# Altium PCB PCB.PcbDoc (part 3 of 5) (continued)
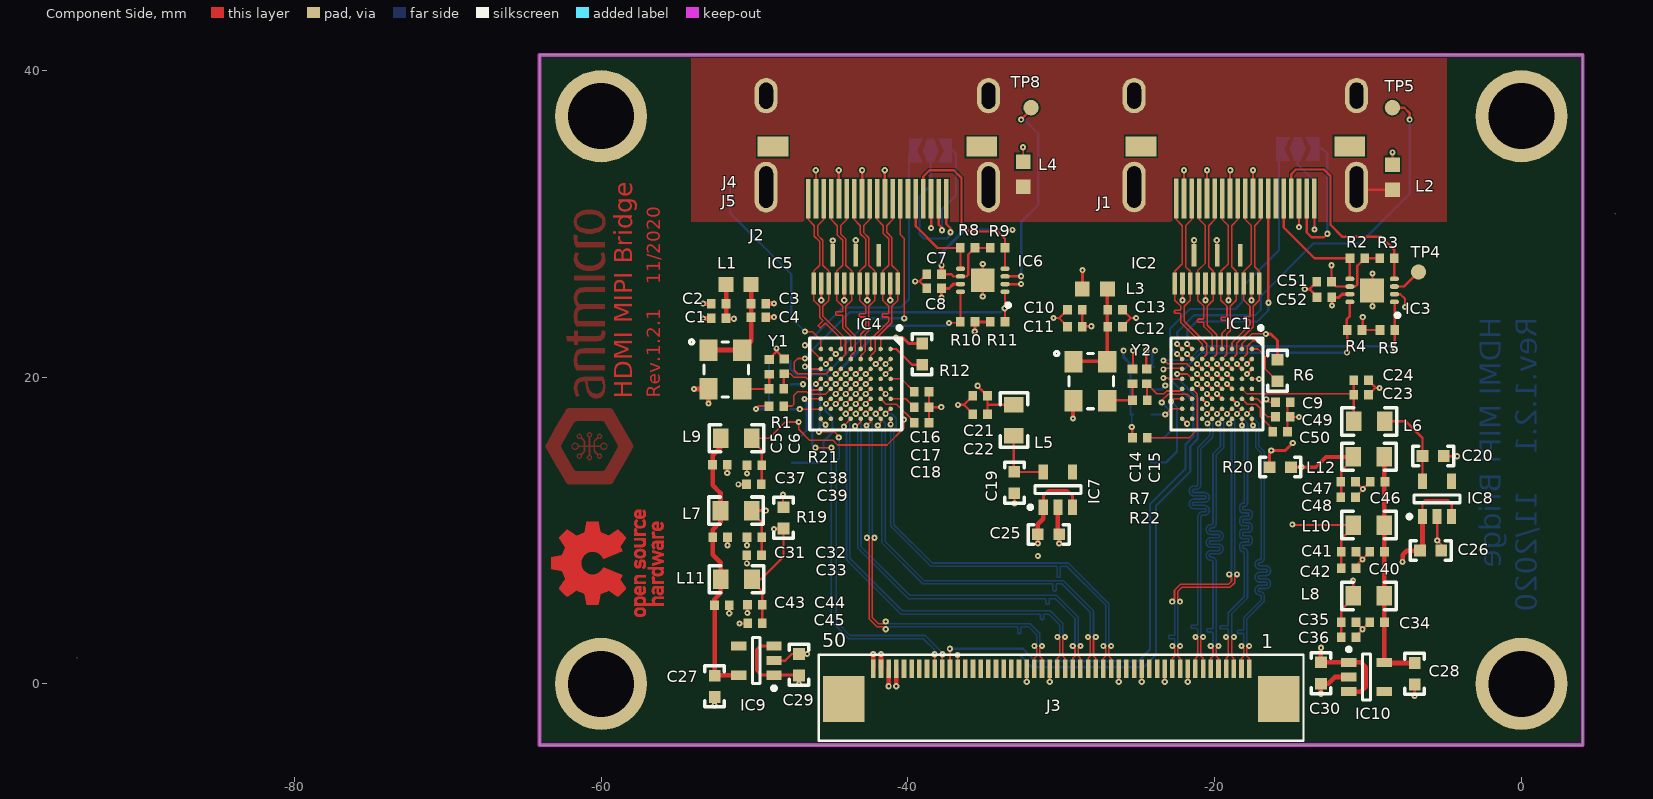
[diagram p0: Component Side view]
## Nets (pads, with @x,y where several pads share a name; then routed paths per layer and width w, separated by ;. In a path a pad name is that pad's centre, name@x,y a point inside that pad or via, vN(x,y) a via of type N, cw(c..) or ccw(c..) an arc to the next point about the centre after c; other vN are vias at no path point) (continued)
-59.585,7.477 ; -59.585,8.258 -59.585,9.69 ; -59.576,6.045 -59.576,7.477 ; -59.576,8.258 -59.576,9.69 ; -59.567,6.045 -59.567,7.477 ; -59.567,8.258 -59.567,9.69 ; -59.558,6.054 -59.558,7.468 ; -59.558,8.267 -59.558,9.681 ; -59.549,6.054 -59.549,7.468 ; -59.549,8.267 -59.549,9.681 ; -59.539,6.063 -59.539,7.459 ; -59.539,8.276 -59.539,9.672 ; -59.53,6.063 -59.53,7.459 ; -59.53,8.276 -59.53,9.672 ; -59.521,6.063 -59.521,7.459 ; -59.521,8.276 -59.521,9.672 ; -59.512,6.073 -59.512,7.45 ; -59.512,8.285 -59.512,9.663 ; -59.503,6.073 -59.503,7.45 ; -59.503,8.285 -59.503,9.663 ; -59.493,6.082 -59.493,7.441 ; -59.493,8.295 -59.493,9.653 ; -59.484,6.082 -59.484,7.441 ; -59.484,8.295 -59.484,9.653 ; -59.475,6.082 -59.475,7.441 ; -59.475,8.295 -59.475,9.653 ; -59.466,6.082 -59.466,7.431 ; -59.466,8.304 -59.466,9.653 ; -59.457,6.082 -59.457,7.431 ; -59.457,8.304 -59.457,9.653 ; -59.448,6.073 -59.448,7.422 ; -59.448,8.313 -59.448,9.663 ; -59.438,6.073 -59.438,7.422 ; -59.438,8.313 -59.438,9.663 ; -59.429,6.063 -59.429,7.413 ; -59.429,8.322 -59.429,9.672 ; -59.42,6.054 -59.42,7.413 ; -59.42,8.322 -59.42,9.681 ; -59.411,6.054 -59.411,7.413 ; -59.411,8.322 -59.411,9.681 ; -59.402,6.045 -59.402,7.404 ; -59.402,8.331 -59.402,9.69 ; -59.392,6.036 -59.392,7.404 ; -59.392,8.331 -59.392,9.699 ; -59.383,6.036 -59.383,7.395 ; -59.383,8.34 -59.383,9.699 ; -59.374,6.027 -59.374,7.395 ; -59.374,8.34 -59.374,9.709 ; -59.365,6.017 -59.365,7.395 ; -59.365,8.34 -59.365,9.718 ; -59.356,6.017 -59.356,7.386 ; -59.356,8.35 -59.356,9.718 ; -59.347,6.008 -59.347,7.386 ; -59.347,8.35 -59.347,9.727 ; -59.337,5.999 -59.337,7.376 ; -59.337,8.359 -59.337,9.736 ; -59.328,5.999 -59.328,7.376 ; -59.328,8.359 -59.328,9.736 ; -59.319,5.99 -59.319,7.367 ; -59.319,8.368 -59.319,9.745 ; -59.31,5.981 -59.31,7.367 ; -59.31,8.368 -59.31,9.754 ; -59.301,5.972 -59.301,7.367 ; -59.301,8.368 -59.301,9.764 ; -59.291,5.972 -59.291,7.358 ; -59.291,8.377 -59.291,9.764 ; -59.282,5.962 -59.282,7.358 ; -59.282,8.377 -59.282,9.773 ; -59.273,5.953 -59.273,7.349 ; -59.273,8.386 -59.273,9.782 ; -59.264,5.953 -59.264,7.349 ; -59.264,8.386 -59.264,9.782 ; -59.255,5.944 -59.255,7.349 ; -59.255,8.386 -59.255,9.791 ; -59.246,5.935 -59.246,7.34 ; -59.246,8.396 -59.246,9.8 ; -59.236,5.935 -59.236,7.34 ; -59.236,8.396 -59.236,9.8 ; -59.227,5.926 -59.227,7.33 ; -59.227,8.405 -59.227,9.81 ; -59.218,5.916 -59.218,7.33 ; -59.218,8.405 -59.218,9.819 ; -59.209,5.916 -59.209,7.33 ; -59.209,8.405 -59.209,9.819 ; -59.2,5.907 -59.2,7.321 ; -59.2,8.414 -59.2,9.828 ; -59.19,5.898 -59.19,7.321 ; -59.19,8.414 -59.19,9.837 ; -59.181,5.898 -59.181,7.312 ; -59.181,8.423 -59.181,9.837 ; -59.172,5.889 -59.172,7.312 ; -59.172,8.423 -59.172,9.846 ; -59.163,5.88 -59.163,7.303 ; -59.163,8.432 -59.163,9.855 ; -59.154,5.88 -59.154,7.303 ; -59.154,8.432 -59.154,9.855 ; -59.145,5.871 -59.145,7.303 ; -59.145,8.432 -59.145,9.865 ; -59.135,5.861 -59.135,7.294 ; -59.135,8.441 -59.135,9.874 ; -59.126,5.852 -59.126,7.294 ; -59.126,8.441 -59.126,9.883 ; -59.117,5.852 -59.117,7.285 ; -59.117,8.451 -59.117,9.883 ; -59.108,5.843 -59.108,7.285 ; -59.108,8.451 -59.108,9.892 ; -59.099,5.834 -59.099,7.285 ; -59.099,8.451 -59.099,9.901 ; -59.089,5.834 -59.089,7.275 ; -59.089,8.46 -59.089,9.901 ; -59.08,5.825 -59.08,7.275 ; -59.08,8.46 -59.08,9.911 ; -59.071,5.815 -59.071,7.266 ; -59.071,8.469 -59.071,9.92 ; -59.062,5.815 -59.062,7.266 ; -59.062,8.469 -59.062,9.92 ; -59.053,5.806 -59.053,7.257 ; -59.053,8.478 -59.053,9.929 ; -59.044,5.797 -59.044,7.257 ; -59.044,8.478 -59.044,9.938 ; -59.034,5.797 -59.034,7.257 ; -59.034,8.478 -59.034,9.938 ; -59.025,5.788 -59.025,7.248 ; -59.025,8.487 -59.025,9.947 ; -59.016,5.779 -59.016,7.248 ; -59.016,8.487 -59.016,9.956 ; -59.007,5.779 -59.007,7.239 ; -59.007,8.497 -59.007,9.956 ; -58.998,5.77 -58.998,7.239 ; -58.998,8.497 -58.998,9.966 ; -58.988,5.76 -58.988,7.239 ; -58.988,8.497 -58.988,9.975 ; -58.979,5.751 -58.979,7.229 ; -58.979,8.506 -58.979,9.984 ; -58.97,5.751 -58.97,7.229 ; -58.97,8.506 -58.97,9.984 ; -58.961,5.742 -58.961,7.22 ; -58.961,8.515 -58.961,9.993 ; -58.952,5.733 -58.952,7.22 ; -58.952,8.515 -58.952,10.002 ; -58.943,5.733 -58.943,7.22 ; -58.943,8.515 -58.943,10.002 ; -58.933,5.724 -58.933,7.211 ; -58.933,8.524 -58.933,10.012 ; -58.924,5.714 -58.924,7.211 ; -58.924,8.524 -58.924,10.021 ; -58.915,5.714 -58.915,7.202 ; -58.915,8.533 -58.915,10.021 ; -58.906,5.705 -58.906,7.202 ; -58.906,8.533 -58.906,10.03 ; -58.897,5.705 -58.897,7.193 ; -58.897,8.542 -58.897,10.03 ; -58.887,5.696 -58.887,7.193 ; -58.887,8.542 -58.887,10.039 ; -58.878,5.696 -58.878,7.193 ; -58.878,8.542 -58.878,10.039 ; -58.869,5.705 -58.869,7.184 ; -58.869,8.552 -58.869,10.03 ; -58.86,5.705 -58.86,7.184 ; -58.86,8.552 -58.86,10.03 ; -58.851,5.714 -58.851,7.174 ; -58.851,8.561 -58.851,10.021 ; -58.842,5.724 -58.842,7.174 ; -58.842,8.561 -58.842,10.012 ; -58.832,5.733 -58.832,7.174 ; -58.832,8.561 -58.832,10.002 ; -58.823,5.742 -58.823,7.165 ; -58.823,8.57 -58.823,9.993 ; -58.814,5.751 -58.814,7.165 ; -58.814,8.57 -58.814,9.984 ; -58.805,5.76 -58.805,7.156 ; -58.805,8.579 -58.805,9.975 ; -58.796,5.77 -58.796,7.156 ; -58.796,8.579 -58.796,9.966 ; -58.786,5.779 -58.786,7.147 ; -58.786,8.588 -58.786,9.956 ; -58.777,5.788 -58.777,7.147 ; -58.777,8.588 -58.777,9.947 ; -58.768,5.797 -58.768,7.147 ; -58.768,8.588 -58.768,9.938 ; -58.759,5.806 -58.759,7.138 ; -58.759,8.598 -58.759,9.929 ; -58.75,5.815 -58.75,7.138 ; -58.75,8.598 -58.75,9.92 ; -58.741,5.825 -58.741,6.78 ; -58.741,6.798 -58.741,7.128 ; -58.741,8.607 -58.741,8.937 ; -58.741,8.956 -58.741,9.911 ; -58.731,5.834 -58.731,6.761 ; -58.731,6.825 -58.731,7.128 ; -58.731,8.607 -58.731,8.91 ; -58.731,8.974 -58.731,9.901 ; -58.722,5.843 -58.722,6.743 ; -58.722,6.844 -58.722,7.128 ; -58.722,8.607 -58.722,8.891 ; -58.722,8.992 -58.722,9.892 ; -58.713,5.852 -58.713,6.734 ; -58.713,6.862 -58.713,7.119 ; -58.713,8.616 -58.713,8.873 ; -58.713,9.002 -58.713,9.883 ; -58.704,5.861 -58.704,6.715 ; -58.704,6.881 -58.704,7.119 ; -58.704,8.616 -58.704,8.855 ; -58.704,9.02 -58.704,9.874 ; -58.695,5.871 -58.695,6.706 ; -58.695,6.899 -58.695,7.11 ; -58.695,8.625 -58.695,8.836 ; -58.695,9.029 -58.695,9.865 ; -58.685,5.88 -58.685,6.688 ; -58.685,6.908 -58.685,7.11 ; -58.685,8.625 -58.685,8.827 ; -58.685,9.047 -58.685,9.855 ; -58.676,5.889 -58.676,6.679 ; -58.676,6.926 -58.676,7.11 ; -58.676,8.625 -58.676,8.809 ; -58.676,9.057 -58.676,9.846 ; -58.667,5.898 -58.667,6.669 ; -58.667,6.945 -58.667,7.101 ; -58.667,8.634 -58.667,8.79 ; -58.667,9.066 -58.667,9.837 ; -58.658,5.907 -58.658,6.651 ; -58.658,6.963 -58.658,7.101 ; -58.658,8.634 -58.658,8.772 ; -58.658,9.084 -58.658,9.828 ; -58.649,5.916 -58.649,6.642 ; -58.649,6.982 -58.649,7.092 ; -58.649,8.643 -58.649,8.754 ; -58.649,9.093 -58.649,9.819 ; -58.64,5.926 -58.64,6.623 ; -58.64,7 -58.64,7.092 ; -58.64,8.643 -58.64,8.735 ; -58.64,9.112 -58.64,9.81 ; -58.63,5.935 -58.63,6.614 ; -58.63,7.018 -58.63,7.083 ; -58.63,8.653 -58.63,8.717 ; -58.63,9.121 -58.63,9.8 ; -58.621,5.944 -58.621,6.596 ; -58.621,7.037 -58.621,7.083 ; -58.621,8.653 -58.621,8.699 ; -58.621,9.139 -58.621,9.791 ; -58.612,5.953 -58.612,6.587 ; -58.612,7.055 -58.612,7.073 ; -58.612,8.662 -58.612,8.68 ; -58.612,9.148 -58.612,9.782 ; -58.603,5.962 -58.603,6.568 ; -58.603,9.167 -58.603,9.773 ; -58.594,5.972 -58.594,6.559 ; -58.594,9.176 -58.594,9.764 ; -58.584,5.981 -58.584,6.541 ; -58.584,9.194 -58.584,9.754 ; -58.575,5.99 -58.575,6.532 ; -58.575,9.204 -58.575,9.745 ; -58.566,5.999 -58.566,6.522 ; -58.566,9.213 -58.566,9.736 ; -58.557,6.008 -58.557,6.504 ; -58.557,9.231 -58.557,9.727 ; -58.548,6.017 -58.548,6.495 ; -58.548,9.24 -58.548,9.718 ; -58.539,6.027 -58.539,6.477 ; -58.539,9.259 -58.539,9.709 ; -58.529,6.036 -58.529,6.467 ; -58.529,9.268 -58.529,9.699 ; -58.52,6.045 -58.52,6.449 ; -58.52,9.286 -58.52,9.69 ; -58.511,6.054 -58.511,6.44 ; -58.511,9.295 -58.511,9.681 ; -58.502,6.063 -58.502,6.421 ; -58.502,9.314 -58.502,9.672 ; -58.493,6.073 -58.493,6.412 ; -58.493,9.323 -58.493,9.663 ; -58.483,6.082 -58.483,6.394 ; -58.483,9.341 -58.483,9.653 ; -58.474,6.091 -58.474,6.385 ; -58.474,9.35 -58.474,9.644 ; -58.465,6.1 -58.465,6.376 ; -58.465,9.36 -58.465,9.635 ; -58.456,6.109 -58.456,6.357 ; -58.456,9.378 -58.456,9.626 ; -58.447,6.118 -58.447,6.348 ; -58.447,9.387 -58.447,9.617 ; -58.438,6.128 -58.438,6.33 ; -58.438,9.406 -58.438,9.608 ; -58.428,6.137 -58.428,6.32 ; -58.428,9.415 -58.428,9.598 ; -58.419,6.146 -58.419,6.302 ; -58.419,9.433 -58.419,9.589 ; -58.41,6.155 -58.41,6.293 ; -58.41,9.442 -58.41,9.58 ; -58.401,6.164 -58.401,6.275 ; -58.401,9.461 -58.401,9.571 ; -58.392,6.174 -58.392,6.265 ; -58.392,9.47 -58.392,9.562 ; -58.382,6.183 -58.382,6.247 ; -58.382,9.488 -58.382,9.552 ; -58.373,6.201 -58.373,6.238 ; -58.373,9.497 -58.373,9.534 ; -57.795,4.603 -57.795,4.741 ; -57.795,5.375 -57.795,5.494 ; -57.795,6.017 -57.795,6.146 ; -57.795,6.789 -57.795,6.899 ; -57.795,7.734 -57.795,7.891 ; -57.795,8.423 -57.795,8.561 ; -57.795,9.938 -57.795,10.048 ; -57.795,10.397 -57.795,10.526 ; -57.795,11.003 -57.795,11.123 ; -57.786,4.576 -57.786,4.769 ; -57.786,5.099 -57.786,5.246 ; -57.786,5.356 -57.786,5.522 ; -57.786,5.981 -57.786,6.174 ; -57.786,6.513 -57.786,6.651 ; -57.786,6.752 -57.786,6.926 ; -57.786,7.689 -57.786,7.927 ; -57.786,8.396 -57.786,8.588 ; -57.786,8.919 -57.786,9.057 ; -57.786,9.35 -57.786,9.497 ; -57.786,9.663 -57.786,9.8 ; -57.786,9.911 -57.786,10.076 ; -57.786,10.36 -57.786,10.553 ; -57.786,10.966 -57.786,11.159 ; -57.776,4.548 -57.776,4.796 ; -57.776,5.099 -57.776,5.246 ; -57.776,5.329 -57.776,5.54 ; -57.776,5.962 -57.776,6.201 ; -57.776,6.513 -57.776,6.651 ; -57.776,6.734 -57.776,6.945 ; -57.776,7.67 -57.776,7.955 ; -57.776,8.368 -57.776,8.616 ; -57.776,8.919 -57.776,9.057 ; -57.776,9.35 -57.776,9.497 ; -57.776,9.663 -57.776,9.8 ; -57.776,9.883 -57.776,10.094 ; -57.776,10.333 -57.776,10.581 ; -57.776,10.939 -57.776,11.178 ; -57.767,4.53 -57.767,4.815 ; -57.767,5.099 -57.767,5.246 ; -57.767,5.31 -57.767,5.558 ; -57.767,5.944 -57.767,6.219 ; -57.767,6.513 -57.767,6.651 ; -57.767,6.715 -57.767,6.963 ; -57.767,7.643 -57.767,7.982 ; -57.767,8.35 -57.767,8.634 ; -57.767,8.919 -57.767,9.057 ; -57.767,9.35 -57.767,9.497 ; -57.767,9.663 -57.767,9.8 ; -57.767,9.874 -57.767,10.113 ; -57.767,10.315 -57.767,10.608 ; -57.767,10.921 -57.767,11.196 ; -57.758,4.512 -57.758,4.833 ; -57.758,5.099 -57.758,5.246 ; -57.758,5.292 -57.758,5.577 ; -57.758,5.926 -57.758,6.238 ; -57.758,6.513 -57.758,6.651 ; -57.758,6.706 -57.758,6.982 ; -57.758,7.633 -57.758,8.001 ; -57.758,8.331 -57.758,8.653 ; -57.758,8.919 -57.758,9.057 ; -57.758,9.35 -57.758,9.497 ; -57.758,9.663 -57.758,9.8 ; -57.758,9.855 -57.758,10.131 ; -57.758,10.296 -57.758,10.618 ; -57.758,10.902 -57.758,11.214 ; -57.749,4.502 -57.749,4.851 ; -57.749,5.099 -57.749,5.246 ; -57.749,5.283 -57.749,5.586 ; -57.749,5.916 -57.749,6.247 ; -57.749,6.513 -57.749,6.651 ; -57.749,6.688 -57.749,6.991 ; -57.749,7.615 -57.749,8.019 ; -57.749,8.313 -57.749,8.662 ; -57.749,8.919 -57.749,9.057 ; -57.749,9.35 -57.749,9.497 ; -57.749,9.663 -57.749,9.8 ; -57.749,9.846 -57.749,10.14 ; -57.749,10.278 -57.749,10.636 ; -57.749,10.893 -57.749,11.233 ; -57.74,4.484 -57.74,4.861 ; -57.74,5.099 -57.74,5.246 ; -57.74,5.274 -57.74,5.595 ; -57.74,5.898 -57.74,6.265 ; -57.74,6.513 -57.74,6.651 ; -57.74,6.679 -57.74,7.009 ; -57.74,7.606 -57.74,8.037 ; -57.74,8.304 -57.74,8.68 ; -57.74,8.919 -57.74,9.057 ; -57.74,9.35 -57.74,9.497 ; -57.74,9.663 -57.74,9.8 ; -57.74,9.837 -57.74,10.14 ; -57.74,10.269 -57.74,10.645 ; -57.74,10.884 -57.74,11.242 ; -57.731,4.475 -57.731,4.87 ; -57.731,5.099 -57.731,5.246 ; -57.731,5.265 -57.731,5.604 ; -57.731,5.889 -57.731,6.275 ; -57.731,6.513 -57.731,6.651 ; -57.731,6.669 -57.731,7.009 ; -57.731,7.597 -57.731,8.047 ; -57.731,8.295 -57.731,8.689 ; -57.731,8.919 -57.731,9.057 ; -57.731,9.35 -57.731,9.497 ; -57.731,9.663 -57.731,9.8 ; -57.731,9.828 -57.731,10.131 ; -57.731,10.25 -57.731,10.663 ; -57.731,10.875 -57.731,11.251 ; -57.721,4.466 -57.721,4.879 ; -57.721,5.099 -57.721,5.246 ; -57.721,5.255 -57.721,5.613 ; -57.721,5.88 -57.721,6.284 ; -57.721,6.513 -57.721,6.651 ; -57.721,6.66 -57.721,7.018 ; -57.721,7.588 -57.721,8.065 ; -57.721,8.285 -57.721,8.699 ; -57.721,8.919 -57.721,9.057 ; -57.721,9.35 -57.721,9.497 ; -57.721,9.663 -57.721,9.8 ; -57.721,9.819 -57.721,10.122 ; -57.721,10.241 -57.721,10.673 ; -57.721,10.856 -57.721,11.269 ; -57.712,4.457 -57.712,4.888 ; -57.712,5.099 -57.712,5.623 ; -57.712,5.871 -57.712,6.293 ; -57.712,6.513 -57.712,7.027 ; -57.712,7.578 -57.712,8.074 ; -57.712,8.276 -57.712,8.708 ; -57.712,8.919 -57.712,9.057 ; -57.712,9.35 -57.712,9.497 ; -57.712,9.663 -57.712,10.113 ; -57.712,10.232 -57.712,10.682 ; -57.712,10.856 -57.712,11.279 ; -57.703,4.447 -57.703,4.897 ; -57.703,5.099 -57.703,5.632 ; -57.703,5.861 -57.703,6.302 ; -57.703,6.513 -57.703,7.037 ; -57.703,7.569 -57.703,8.083 ; -57.703,8.267 -57.703,8.717 ; -57.703,8.919 -57.703,9.057 ; -57.703,9.35 -57.703,9.497 ; -57.703,9.663 -57.703,10.103 ; -57.703,10.223 -57.703,10.691 ; -57.703,10.847 -57.703,11.279 ; -57.694,4.447 -57.694,4.906 ; -57.694,5.099 -57.694,5.632 ; -57.694,5.861 -57.694,6.311 ; -57.694,6.513 -57.694,7.046 ; -57.694,7.569 -57.694,8.074 ; -57.694,8.258 -57.694,8.717 ; -57.694,8.919 -57.694,9.057 ; -57.694,9.35 -57.694,9.497 ; -57.694,9.663 -57.694,10.094 ; -57.694,10.214 -57.694,10.7 ; -57.694,10.838 -57.694,11.288 ; -57.685,4.438 -57.685,4.916 ; -57.685,5.099 -57.685,5.641 ; -57.685,5.852 -57.685,6.32 ; -57.685,6.513 -57.685,7.046 ; -57.685,7.56 -57.685,8.065 ; -57.685,8.249 -57.685,8.726 ; -57.685,8.919 -57.685,9.057 ; -57.685,9.35 -57.685,9.497 ; -57.685,9.663 -57.685,10.094 ; -57.685,10.214 -57.685,10.709 ; -57.685,10.829 -57.685,11.297 ; -57.675,4.429 -57.675,4.916 ; -57.675,5.099 -57.675,5.65 ; -57.675,5.843 -57.675,6.33 ; -57.675,6.513 -57.675,7.055 ; -57.675,7.551 -57.675,8.056 ; -57.675,8.249 -57.675,8.735 ; -57.675,8.919 -57.675,9.057 ; -57.675,9.35 -57.675,9.497 ; -57.675,9.663 -57.675,10.085 ; -57.675,10.204 -57.675,10.719 ; -57.675,10.829 -57.675,11.306 ; -57.666,4.42 -57.666,4.925 ; -57.666,5.099 -57.666,5.65 ; -57.666,5.843 -57.666,6.045 ; -57.666,6.118 -57.666,6.33 ; -57.666,6.513 -57.666,7.055 ; -57.666,7.551 -57.666,7.771 ; -57.666,7.845 -57.666,8.047 ; -57.666,8.239 -57.666,8.744 ; -57.666,8.919 -57.666,9.057 ; -57.666,9.35 -57.666,9.497 ; -57.666,9.663 -57.666,10.076 ; -57.666,10.195 -57.666,10.7 ; -57.666,10.82 -57.666,11.022 ; -57.666,11.095 -57.666,11.315 ; -57.657,4.42 -57.657,4.64 ; -57.657,4.714 -57.657,4.934 ; -57.657,5.099 -57.657,5.347 ; -57.657,5.43 -57.657,5.659 ; -57.657,5.834 -57.657,6.017 ; -57.657,6.146 -57.657,6.339 ; -57.657,6.513 -57.657,6.761 ; -57.657,6.835 -57.657,7.064 ; -57.657,7.551 -57.657,7.725 ; -57.657,7.891 -57.657,8.047 ; -57.657,8.23 -57.657,8.451 ; -57.657,8.524 -57.657,8.744 ; -57.657,8.919 -57.657,9.057 ; -57.657,9.35 -57.657,9.497 ; -57.657,9.663 -57.657,9.911 ; -57.657,9.984 -57.657,10.067 ; -57.657,10.186 -57.657,10.416 ; -57.657,10.507 -57.657,10.691 ; -57.657,10.81 -57.657,10.994 ; -57.657,11.123 -57.657,11.315 ; -57.648,4.411 -57.648,4.613 ; -57.648,4.741 -57.648,4.934 ; -57.648,5.099 -57.648,5.329 ; -57.648,5.457 -57.648,5.659 ; -57.648,5.834 -57.648,5.999 ; -57.648,6.164 -57.648,6.339 ; -57.648,6.513 -57.648,6.734 ; -57.648,6.862 -57.648,7.064 ; -57.648,7.542 -57.648,7.707 ; -57.648,7.918 -57.648,8.037 ; -57.648,8.23 -57.648,8.423 ; -57.648,8.552 -57.648,8.754 ; -57.648,8.919 -57.648,9.057 ; -57.648,9.35 -57.648,9.497 ; -57.648,9.663 -57.648,9.883 ; -57.648,10.002 -57.648,10.057 ; -57.648,10.186 -57.648,10.388 ; -57.648,10.535 -57.648,10.682 ; -57.648,10.81 -57.648,10.976 ; -57.648,11.141 -57.648,11.325 ; -57.639,4.411 -57.639,4.594 ; -57.639,4.76 -57.639,4.943 ; -57.639,5.099 -57.639,5.31 ; -57.639,5.476 -57.639,5.659 ; -57.639,5.825 -57.639,5.99 ; -57.639,6.174 -57.639,6.348 ; -57.639,6.513 -57.639,6.715 ; -57.639,6.881 -57.639,7.073 ; -57.639,7.542 -57.639,7.698 ; -57.639,7.936 -57.639,8.028 ; -57.639,8.221 -57.639,8.405 ; -57.639,8.57 -57.639,8.754 ; -57.639,8.919 -57.639,9.057 ; -57.639,9.35 -57.639,9.497 ; -57.639,9.663 -57.639,9.865 ; -57.639,10.021 -57.639,10.048 ; -57.639,10.177 -57.639,10.37 ; -57.639,10.553 -57.639,10.673 ; -57.639,10.81 -57.639,10.966 ; -57.639,11.159 -57.639,11.325 ; -57.63,4.401 -57.63,4.576 ; -57.63,4.769 -57.63,4.943 ; -57.63,5.099 -57.63,5.292 ; -57.63,5.485 -57.63,5.659 ; -57.63,5.825 -57.63,5.972 ; -57.63,6.183 -57.63,6.348 ; -57.63,6.513 -57.63,6.706 ; -57.63,6.89 -57.63,7.073 ; -57.63,7.542 -57.63,7.689 ; -57.63,7.955 -57.63,8.019 ; -57.63,8.221 -57.63,8.396 ; -57.63,8.588 -57.63,8.763 ; -57.63,8.919 -57.63,9.057 ; -57.63,9.35 -57.63,9.497 ; -57.63,9.663 -57.63,9.855 ; -57.63,10.039 -57.63,10.048 ; -57.63,10.177 -57.63,10.351 ; -57.63,10.572 -57.63,10.663 ; -57.63,10.801 -57.63,10.957 ; -57.63,11.168 -57.63,11.334 ; -57.62,4.401 -57.62,4.567 ; -57.62,4.778 -57.62,4.943 ; -57.62,5.099 -57.62,5.283 ; -57.62,5.494 -57.62,5.669 ; -57.62,5.815 -57.62,5.962 ; -57.62,6.192 -57.62,6.357 ; -57.62,6.513 -57.62,6.697 ; -57.62,6.899 -57.62,7.073 ; -57.62,7.542 -57.62,7.689 ; -57.62,7.973 -57.62,8.01 ; -57.62,8.221 -57.62,8.386 ; -57.62,8.598 -57.62,8.763 ; -57.62,8.919 -57.62,9.057 ; -57.62,9.35 -57.62,9.497 ; -57.62,9.663 -57.62,9.846 ; -57.62,10.168 -57.62,10.342 ; -57.62,10.581 -57.62,10.654 ; -57.62,10.801 -57.62,10.948 ; -57.62,11.178 -57.62,11.334 ; -57.611,4.401 -57.611,4.558 ; -57.611,4.787 -57.611,4.952 ; -57.611,5.099 -57.611,5.283 ; -57.611,5.503 -57.611,5.669 ; -57.611,5.815 -57.611,5.962 ; -57.611,6.201 -57.611,6.357 ; -57.611,6.513 -57.611,6.688 ; -57.611,6.908 -57.611,7.083 ; -57.611,7.542 -57.611,7.679 ; -57.611,7.982 -57.611,8.001 ; -57.611,8.212 -57.611,8.377 ; -57.611,8.607 -57.611,8.763 ; -57.611,8.919 -57.611,9.057 ; -57.611,9.35 -57.611,9.497 ; -57.611,9.663 -57.611,9.837 ; -57.611,10.168 -57.611,10.333 ; -57.611,10.59 -57.611,10.645 ; -57.611,10.792 -57.611,10.939 ; -57.611,11.178 -57.611,11.334 ; -57.602,4.392 -57.602,4.548 ; -57.602,4.796 -57.602,4.952 ; -57.602,5.099 -57.602,5.274 ; -57.602,5.512 -57.602,5.669 ; -57.602,5.806 -57.602,5.953 ; -57.602,6.21 -57.602,6.357 ; -57.602,6.513 -57.602,6.679 ; -57.602,6.917 -57.602,7.083 ; -57.602,7.532 -57.602,7.679 ; -57.602,8.212 -57.602,8.368 ; -57.602,8.616 -57.602,8.772 ; -57.602,8.919 -57.602,9.057 ; -57.602,9.35 -57.602,9.497 ; -57.602,9.663 -57.602,9.828 ; -57.602,10.168 -57.602,10.324 ; -57.602,10.599 -57.602,10.636 ; -57.602,10.792 -57.602,10.93 ; -57.602,11.187 -57.602,11.343 ; -57.593,4.392 -57.593,4.548 ; -57.593,4.805 -57.593,4.952 ; -57.593,5.099 -57.593,5.265 ; -57.593,5.512 -57.593,5.669 ; -57.593,5.806 -57.593,5.944 ; -57.593,6.21 -57.593,6.366 ; -57.593,6.513 -57.593,6.669 ; -57.593,6.917 -57.593,7.083 ; -57.593,7.532 -57.593,7.679 ; -57.593,8.212 -57.593,8.359 ; -57.593,8.616 -57.593,8.772 ; -57.593,8.919 -57.593,9.057 ; -57.593,9.35 -57.593,9.497 ; -57.593,9.663 -57.593,9.819 ; -57.593,10.158 -57.593,10.315 ; -57.593,10.608 -57.593,10.627 ; -57.593,10.792 -57.593,10.93 ; -57.593,11.196 -57.593,11.343 ; -57.584,4.392 -57.584,4.539 ; -57.584,4.805 -57.584,4.962 ; -57.584,5.099 -57.584,5.265 ; -57.584,5.522 -57.584,5.669 ; -57.584,5.806 -57.584,5.944 ; -57.584,6.219 -57.584,6.366 ; -57.584,6.513 -57.584,6.669 ; -57.584,6.926 -57.584,7.083 ; -57.584,7.532 -57.584,7.679 ; -57.584,8.203 -57.584,8.359 ; -57.584,8.625 -57.584,8.772 ; -57.584,8.919 -57.584,9.057 ; -57.584,9.35 -57.584,9.497 ; -57.584,9.663 -57.584,9.819 ; -57.584,10.158 -57.584,10.305 ; -57.584,10.783 -57.584,10.921 ; -57.584,11.196 -57.584,11.343 ; -57.574,4.392 -57.574,4.539 ; -57.574,4.815 -57.574,4.962 ; -57.574,5.099 -57.574,5.265 ; -57.574,5.522 -57.574,5.669 ; -57.574,5.806 -57.574,5.935 ; -57.574,6.219 -57.574,6.366 ; -57.574,6.513 -57.574,6.66 ; -57.574,6.926 -57.574,7.083 ; -57.574,7.532 -57.574,7.679 ; -57.574,8.203 -57.574,8.35 ; -57.574,8.625 -57.574,8.772 ; -57.574,8.919 -57.574,9.057 ; -57.574,9.35 -57.574,9.497 ; -57.574,9.663 -57.574,9.81 ; -57.574,10.158 -57.574,10.305 ; -57.574,10.783 -57.574,10.921 ; -57.574,11.205 -57.574,11.352 ; -57.565,4.392 -57.565,4.53 ; -57.565,4.815 -57.565,4.962 ; -57.565,5.099 -57.565,5.255 ; -57.565,5.522 -57.565,5.669 ; -57.565,5.797 -57.565,5.935 ; -57.565,6.229 -57.565,6.366 ; -57.565,6.513 -57.565,6.66 ; -57.565,6.936 -57.565,7.083 ; -57.565,7.532 -57.565,7.679 ; -57.565,8.203 -57.565,8.35 ; -57.565,8.634 -57.565,8.772 ; -57.565,8.919 -57.565,9.057 ; -57.565,9.35 -57.565,9.497 ; -57.565,9.663 -57.565,9.81 ; -57.565,10.149 -57.565,10.296 ; -57.565,10.783 -57.565,10.911 ; -57.565,11.205 -57.565,11.352 ; -57.556,4.383 -57.556,4.53 ; -57.556,4.824 -57.556,4.962 ; -57.556,5.099 -57.556,5.255 ; -57.556,5.531 -57.556,5.678 ; -57.556,5.797 -57.556,5.935 ; -57.556,6.229 -57.556,6.376 ; -57.556,6.513 -57.556,6.66 ; -57.556,6.936 -57.556,7.083 ; -57.556,7.532 -57.556,7.679 ; -57.556,8.203 -57.556,8.34 ; -57.556,8.634 -57.556,8.781 ; -57.556,8.919 -57.556,9.057 ; -57.556,9.35 -57.556,9.497 ; -57.556,9.663 -57.556,9.81 ; -57.556,10.149 -57.556,10.296 ; -57.556,10.783 -57.556,10.911 ; -57.556,11.205 -57.556,11.352 ; -57.547,4.383 -57.547,4.53 ; -57.547,4.824 -57.547,4.962 ; -57.547,5.099 -57.547,5.255 ; -57.547,5.531 -57.547,5.678 ; -57.547,5.797 -57.547,5.926 ; -57.547,6.229 -57.547,6.376 ; -57.547,6.513 -57.547,6.651 ; -57.547,6.936 -57.547,7.083 ; -57.547,7.542 -57.547,7.689 ; -57.547,8.203 -57.547,8.34 ; -57.547,8.634 -57.547,8.781 ; -57.547,8.919 -57.547,9.057 ; -57.547,9.35 -57.547,9.497 ; -57.547,9.663 -57.547,9.8 ; -57.547,10.149 -57.547,10.296 ; -57.547,10.774 -57.547,10.911 ; -57.547,11.214 -57.547,11.352 ; -57.538,4.383 -57.538,4.521 ; -57.538,4.824 -57.538,4.962 ; -57.538,5.099 -57.538,5.246 ; -57.538,5.531 -57.538,5.678 ; -57.538,5.797 -57.538,5.926 ; -57.538,6.229 -57.538,6.376 ; -57.538,6.513 -57.538,6.651 ; -57.538,6.945 -57.538,7.083 ; -57.538,7.542 -57.538,7.689 ; -57.538,8.194 -57.538,8.34 ; -57.538,8.643 -57.538,8.781 ; -57.538,8.919 -57.538,9.057 ; -57.538,9.35 -57.538,9.497 ; -57.538,9.663 -57.538,9.8 ; -57.538,10.149 -57.538,10.287 ; -57.538,10.774 -57.538,10.911 ; -57.538,11.214 -57.538,11.352 ; -57.529,4.383 -57.529,4.521 ; -57.529,4.824 -57.529,4.971 ; -57.529,5.099 -57.529,5.246 ; -57.529,5.531 -57.529,5.678 ; -57.529,5.788 -57.529,5.926 ; -57.529,6.238 -57.529,6.376 ; -57.529,6.513 -57.529,6.651 ; -57.529,6.945 -57.529,7.083 ; -57.529,7.542 -57.529,7.707 ; -57.529,8.194 -57.529,8.34 ; -57.529,8.643 -57.529,8.781 ; -57.529,8.919 -57.529,9.057 ; -57.529,9.35 -57.529,9.497 ; -57.529,9.663 -57.529,9.8 ; -57.529,10.14 -57.529,10.287 ; -57.529,10.774 -57.529,10.911 ; -57.529,11.214 -57.529,11.352 ; -57.519,4.383 -57.519,4.521 ; -57.519,4.824 -57.519,4.971 ; -57.519,5.099 -57.519,5.246 ; -57.519,5.531 -57.519,5.678 ; -57.519,5.788 -57.519,5.926 ; -57.519,6.238 -57.519,6.376 ; -57.519,6.513 -57.519,6.651 ; -57.519,6.945 -57.519,7.083 ; -57.519,7.542 -57.519,7.725 ; -57.519,8.194 -57.519,8.34 ; -57.519,8.643 -57.519,8.781 ; -57.519,8.919 -57.519,9.057 ; -57.519,9.35 -57.519,9.497 ; -57.519,9.663 -57.519,9.8 ; -57.519,10.14 -57.519,10.287 ; -57.519,10.774 -57.519,10.902 ; -57.519,11.214 -57.519,11.352 ; -57.51,4.383 -57.51,4.521 ; -57.51,4.824 -57.51,4.971 ; -57.51,5.099 -57.51,5.246 ; -57.51,5.531 -57.51,5.678 ; -57.51,5.788 -57.51,5.926 ; -57.51,6.238 -57.51,6.376 ; -57.51,6.513 -57.51,6.651 ; -57.51,6.945 -57.51,7.083 ; -57.51,7.551 -57.51,7.753 ; -57.51,8.194 -57.51,8.331 ; -57.51,8.643 -57.51,8.781 ; -57.51,8.919 -57.51,9.057 ; -57.51,9.35 -57.51,9.497 ; -57.51,9.663 -57.51,9.8 ; -57.51,10.14 -57.51,10.287 ; -57.51,10.774 -57.51,10.902 ; -57.51,11.214 -57.51,11.352 ; -57.501,4.383 -57.501,4.521 ; -57.501,4.833 -57.501,4.971 ; -57.501,5.099 -57.501,5.246 ; -57.501,5.54 -57.501,5.678 ; -57.501,5.788 -57.501,5.926 ; -57.501,6.238 -57.501,6.376 ; -57.501,6.513 -57.501,6.651 ; -57.501,6.945 -57.501,7.083 ; -57.501,7.551 -57.501,7.854 ; -57.501,8.194 -57.501,8.331 ; -57.501,8.643 -57.501,8.781 ; -57.501,8.919 -57.501,9.057 ; -57.501,9.35 -57.501,9.497 ; -57.501,9.663 -57.501,9.8 ; -57.501,10.14 -57.501,10.278 ; -57.501,10.774 -57.501,10.902 ; -57.501,11.214 -57.501,11.361 ; -57.492,4.383 -57.492,4.521 ; -57.492,4.833 -57.492,4.971 ; -57.492,5.099 -57.492,5.246 ; -57.492,5.54 -57.492,5.678 ; -57.492,5.788 -57.492,6.376 ; -57.492,6.513 -57.492,6.651 ; -57.492,6.945 -57.492,7.083 ; -57.492,7.551 -57.492,7.936 ; -57.492,8.194 -57.492,8.331 ; -57.492,8.643 -57.492,8.781 ; -57.492,8.919 -57.492,9.057 ; -57.492,9.35 -57.492,9.497 ; -57.492,9.663 -57.492,9.8 ; -57.492,10.14 -57.492,10.278 ; -57.492,10.764 -57.492,11.361 ; -57.483,4.383 -57.483,4.521 ; -57.483,4.833 -57.483,4.971 ; -57.483,5.099 -57.483,5.246 ; -57.483,5.54 -57.483,5.678 ; -57.483,5.788 -57.483,6.376 ; -57.483,6.513 -57.483,6.651 ; -57.483,6.945 -57.483,7.083 ; -57.483,7.56 -57.483,7.973 ; -57.483,8.194 -57.483,8.331 ; -57.483,8.643 -57.483,8.781 ; -57.483,8.919 -57.483,9.057 ; -57.483,9.35 -57.483,9.497 ; -57.483,9.663 -57.483,9.8 ; -57.483,10.14 -57.483,10.278 ; -57.483,10.764 -57.483,11.361 ; -57.473,4.383 -57.473,4.521 ; -57.473,4.833 -57.473,4.971 ; -57.473,5.099 -57.473,5.246 ; -57.473,5.54 -57.473,5.678 ; -57.473,5.788 -57.473,6.376 ; -57.473,6.513 -57.473,6.651 ; -57.473,6.945 -57.473,7.083 ; -57.473,7.56 -57.473,7.992 ; -57.473,8.194 -57.473,8.331 ; -57.473,8.643 -57.473,8.781 ; -57.473,8.919 -57.473,9.057 ; -57.473,9.35 -57.473,9.497 ; -57.473,9.663 -57.473,9.8 ; -57.473,10.14 -57.473,10.278 ; -57.473,10.764 -57.473,11.361 ; -57.464,4.383 -57.464,4.521 ; -57.464,4.833 -57.464,4.971 ; -57.464,5.099 -57.464,5.246 ; -57.464,5.54 -57.464,5.678 ; -57.464,5.788 -57.464,6.376 ; -57.464,6.513 -57.464,6.651 ; -57.464,6.945 -57.464,7.083 ; -57.464,7.569 -57.464,8.01 ; -57.464,8.194 -57.464,8.331 ; -57.464,8.643 -57.464,8.781 ; -57.464,8.919 -57.464,9.057 ; -57.464,9.35 -57.464,9.497 ; -57.464,9.663 -57.464,9.8 ; -57.464,10.14 -57.464,10.278 ; -57.464,10.764 -57.464,11.361 ; -57.455,4.374 -57.455,4.521 ; -57.455,4.833 -57.455,4.971 ; -57.455,5.099 -57.455,5.246 ; -57.455,5.54 -57.455,5.678 ; -57.455,5.788 -57.455,6.376 ; -57.455,6.513 -57.455,6.651 ; -57.455,6.945 -57.455,7.083 ; -57.455,7.578 -57.455,8.028 ; -57.455,8.194 -57.455,8.331 ; -57.455,8.643 -57.455,8.781 ; -57.455,8.919 -57.455,9.057 ; -57.455,9.35 -57.455,9.497 ; -57.455,9.663 -57.455,9.8 ; -57.455,10.14 -57.455,10.278 ; -57.455,10.764 -57.455,11.361 ; -57.446,4.374 -57.446,4.521 ; -57.446,4.833 -57.446,4.971 ; -57.446,5.099 -57.446,5.246 ; -57.446,5.54 -57.446,5.678 ; -57.446,5.788 -57.446,6.376 ; -57.446,6.513 -57.446,6.651 ; -57.446,6.945 -57.446,7.083 ; -57.446,7.588 -57.446,8.037 ; -57.446,8.194 -57.446,8.331 ; -57.446,8.643 -57.446,8.79 ; -57.446,8.919 -57.446,9.057 ; -57.446,9.35 -57.446,9.497 ; -57.446,9.663 -57.446,9.8 ; -57.446,10.14 -57.446,10.278 ; -57.446,10.764 -57.446,11.361 ; -57.437,4.374 -57.437,4.521 ; -57.437,4.833 -57.437,4.971 ; -57.437,5.099 -57.437,5.246 ; -57.437,5.54 -57.437,5.678 ; -57.437,5.788 -57.437,6.376 ; -57.437,6.513 -57.437,6.651 ; -57.437,6.945 -57.437,7.083 ; -57.437,7.597 -57.437,8.047 ; -57.437,8.194 -57.437,8.331 ; -57.437,8.643 -57.437,8.79 ; -57.437,8.919 -57.437,9.057 ; -57.437,9.35 -57.437,9.497 ; -57.437,9.663 -57.437,9.8 ; -57.437,10.131 -57.437,10.278 ; -57.437,10.764 -57.437,11.361 ; -57.428,4.374 -57.428,4.521 ; -57.428,4.833 -57.428,4.971 ; -57.428,5.099 -57.428,5.246 ; -57.428,5.54 -57.428,5.678 ; -57.428,5.788 -57.428,6.376 ; -57.428,6.513 -57.428,6.651 ; -57.428,6.945 -57.428,7.083 ; -57.428,7.606 -57.428,8.056 ; -57.428,8.194 -57.428,8.331 ; -57.428,8.643 -57.428,8.79 ; -57.428,8.919 -57.428,9.057 ; -57.428,9.35 -57.428,9.497 ; -57.428,9.663 -57.428,9.8 ; -57.428,10.131 -57.428,10.278 ; -57.428,10.764 -57.428,11.361 ; -57.418,4.374 -57.418,4.521 ; -57.418,4.833 -57.418,4.971 ; -57.418,5.099 -57.418,5.246 ; -57.418,5.54 -57.418,5.678 ; -57.418,5.788 -57.418,6.376 ; -57.418,6.513 -57.418,6.651 ; -57.418,6.945 -57.418,7.083 ; -57.418,7.615 -57.418,8.065 ; -57.418,8.194 -57.418,8.331